# Altium PCB HSBNE-IO.PcbDoc (part 1 of 2)
Units mm, origin at the board's own origin, x right, y up, seen from the top; angles counter-clockwise.
Board outline 100.03 x 80.03 mm, 2 copper layers (Top Layer, Bottom Layer); 108 components, 162 nets, 597 pads, 281 vias.
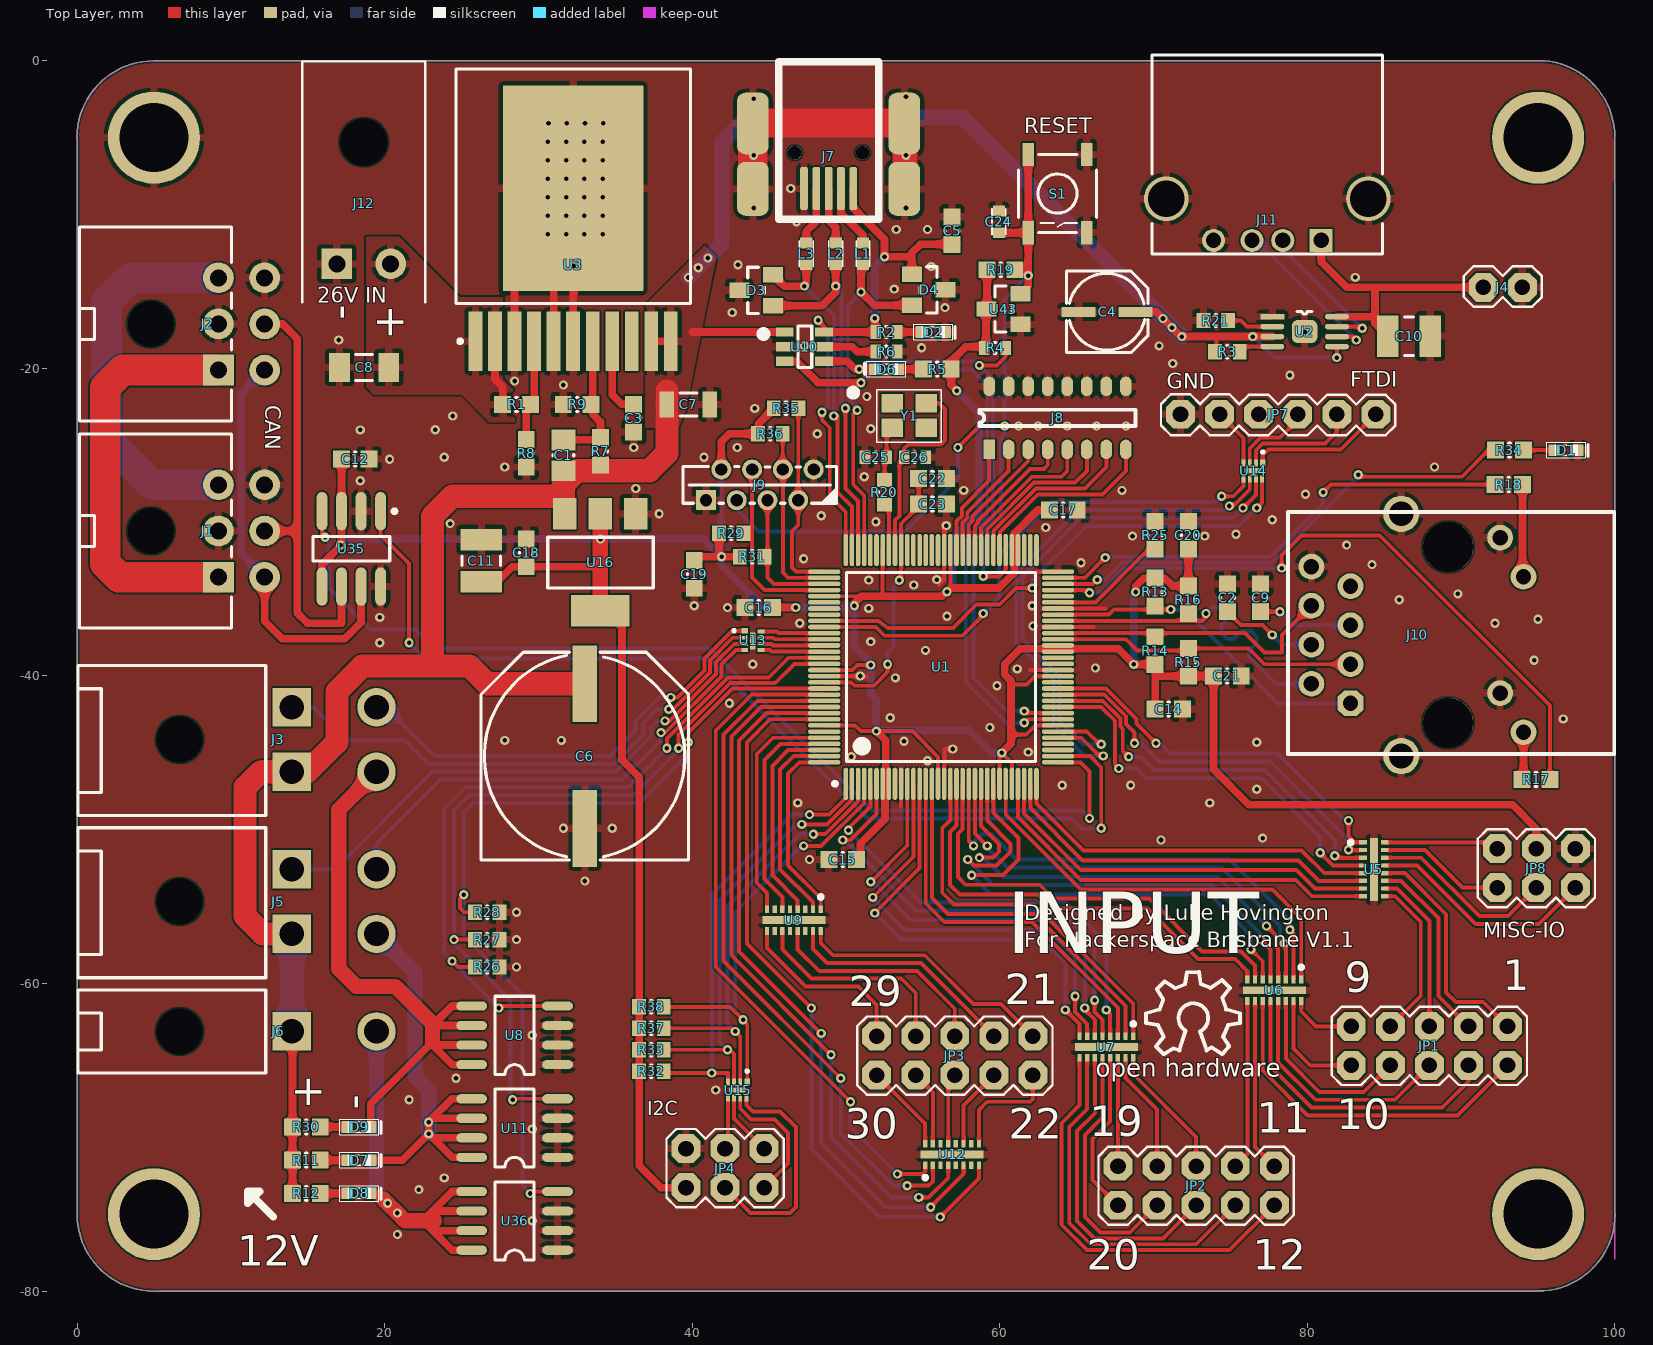
[diagram p0: Top Layer view]
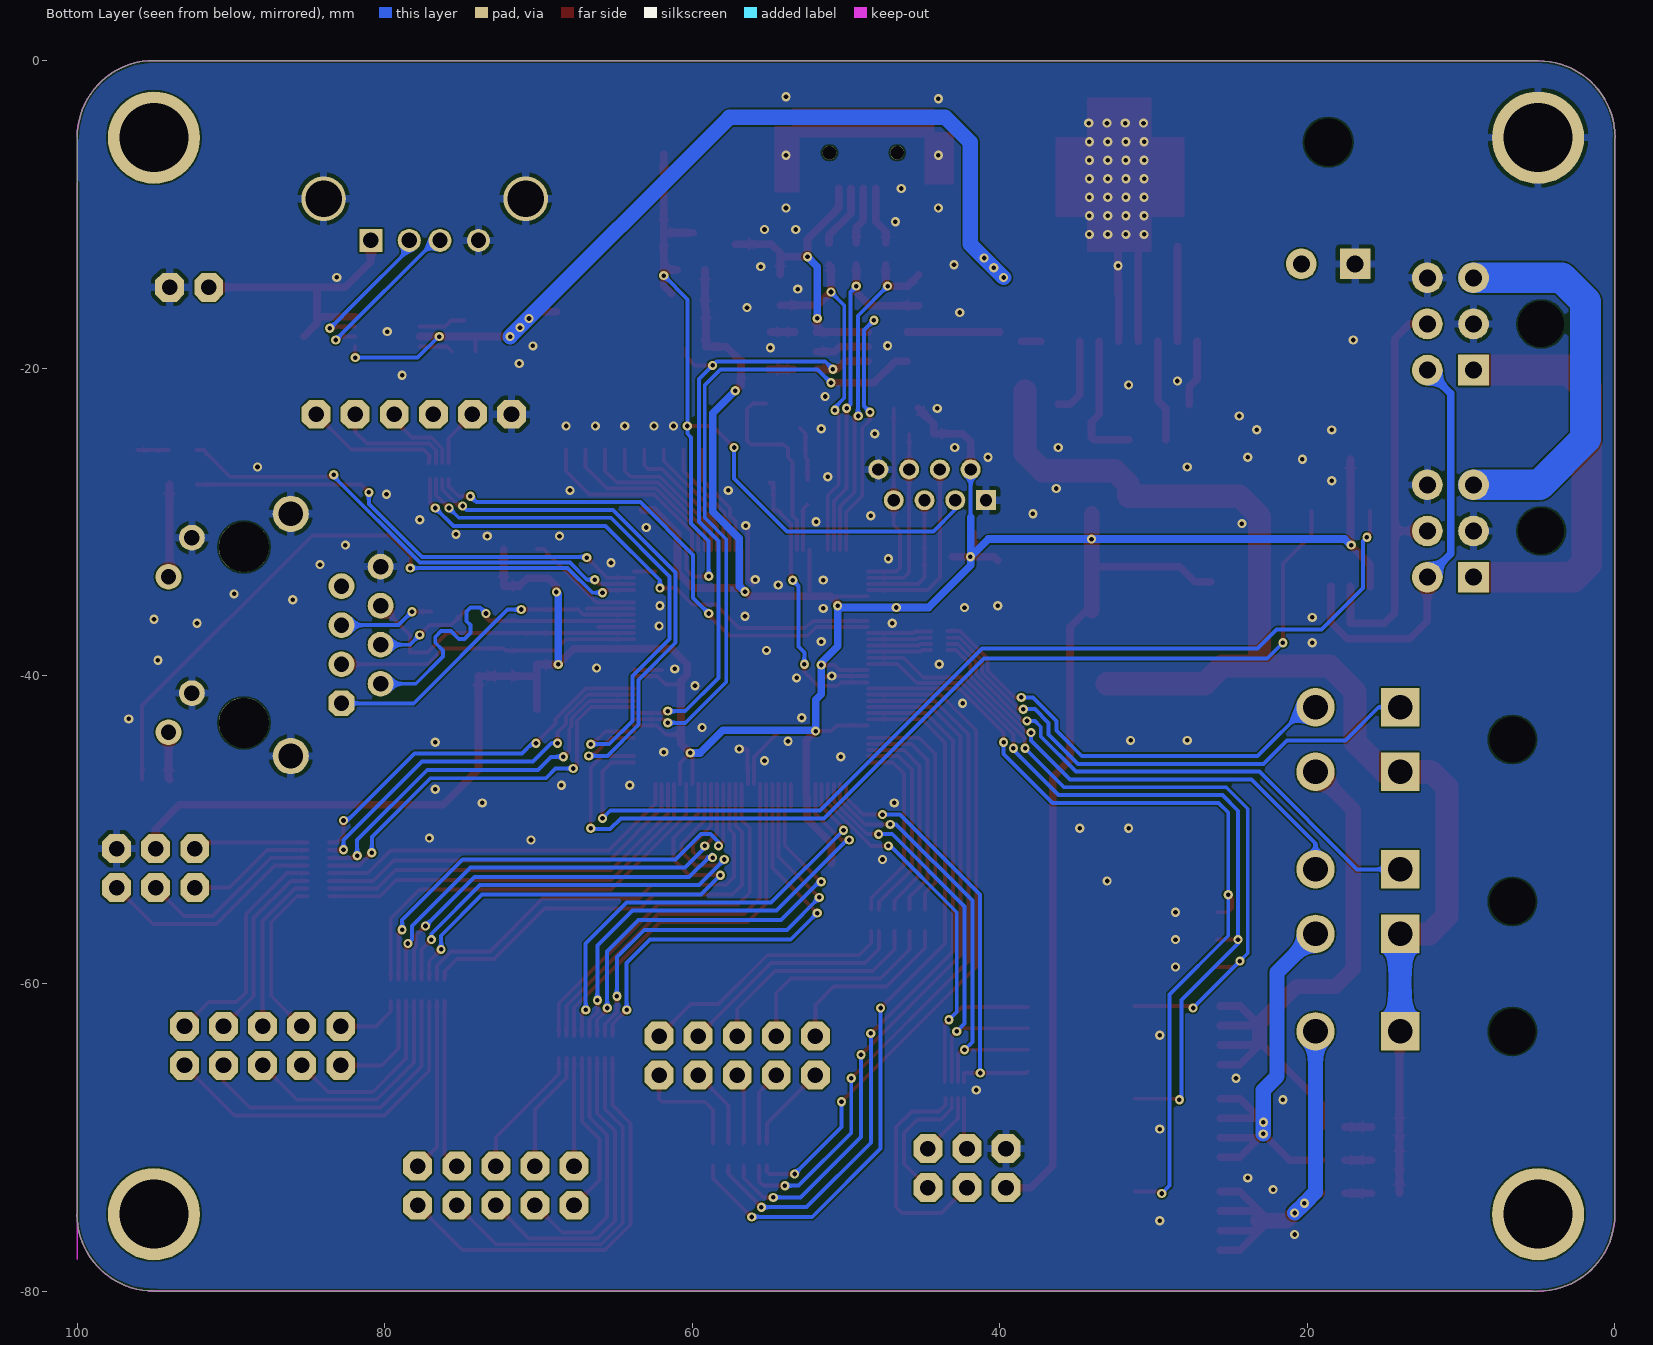
[diagram p1: Bottom Layer view, seen from below]

## Layer stack, top to bottom
Top Solder: solder mask 0.0102, Solder Resist, Dk 3.5
Top Layer: signal copper 0.0356
Dielectric 1: dielectric 0.32, FR-4, Dk 4.8
Bottom Layer: signal copper 0.0356
Bottom Solder: solder mask 0.0102, Solder Resist, Dk 3.5

## Board outline
5.004,-80.013 cw(c5.004,-75.013) 0.004,-75.013 0,-75 0,-5 -0.013,-5.004 cw(c4.987,-5.004) 4.987,-0.004 5,0 95,0 94.996,0.013 cw(c94.996,-4.987) 99.996,-4.987 100,-5 100,-75 100.013,-74.996 cw(c95.013,-74.996) 95.013,-79.996 95,-80

## Design rules (kind name [scope] priority, off if disabled: settings)
Clearance Micro [InComponent('U1') vs InNetClass('All Nets')] p1: gap=0.1 ignorepadtopadclearanceinfootprint=FALSE
Clearance [All] p2: gap=0.1 ignorepadtopadclearanceinfootprint=TRUE
DiffPairsRouting [All] p1: maxlimit=0.254 minlimit=0.254 mostfreqgap=0.254 toplayer_minwidth=0.254 toplayer_maxwidth=0.5 toplayer_prefwidth=0.381 bottomlayer_minwidth=0.254 bottomlayer_maxwidth=0.5 bottomlayer_prefwidth=0.381 maxuncoupledlength=12.7
HoleSize [All] p1: absolutevalues=TRUE maxlimit=4.5 minlimit=0.025 maxpercent=80.000 minpercent=20.000
MinimumSolderMaskSliver [All] p1: minsoldermaskwidth=0.2
PlaneClearance [All] p1: clearance=2
PlaneConnect [All] p1: planeconnectstyle=Relief reliefexpansion=0.508 reliefentries=4 reliefconductorwidth=0.5 reliefairgap=0.254
PolygonConnect via [All vs isvia] p1: connectstyle=Direct reliefconductorwidth=0.254 reliefentries=4 polygonreliefangle="90 Angle" airgapwidth=0.254
PolygonConnect [All] p2: connectstyle=Relief reliefconductorwidth=0.5 reliefentries=4 polygonreliefangle="90 Angle" airgapwidth=0.254
RoutingVias [All] p1: holewidth=0.5 width=1 viastyle="Through Hole" minholewidth=0.3 minwidth=0.6 maxholewidth=0.711 maxwidth=1.27
SilkToSolderMaskClearance [IsPad] p1: minsilkscreentomaskgap=0.127 clearancetoexposedcopper=TRUE
SolderMaskExpansion [All] p1: expansion=0.102
Width [All] p1: maxlimit=2 minlimit=0.254 preferedwidth=0.254
24 further rules are at their usual default settings.

## Classes and differential pairs
component class Power: C1 C3 C4 C6 C7 C8 C10 C11 C14 C15 C16 C17 C18 C19 C22 C23 J4 J11 J12 R1 R3 R7 R8 R9 R21 R26 R27 R28 U2 U3 U8 U11 U16 U36
component class ButtonInputs: JP1 JP2 JP3 JP8 U5 U6 U7 U9 U12
component class Micro: J8 U1
component class Crystal: C2 C9 C20 C21 C24 C25 C26 D1 J10 R13 R14 R15 R16 R17 R18 R19 R20 R25 R34 S1 U43 Y1
component class IO: C5 C12 D2 D3 D4 D6 D7 D8 D9 J1 J2 J3 J5 J6 J7 J9 JP4 JP7 L1 L2 L3 R2 R4 R5 R6 R11 R12 R29 R30 R31 R32 R33 R35 R36 R37 R38 U10 U13 U14 U15 U35
differential pair RX: +RX_P -RX_N
differential pair TX: +TX_P -TX_N
differential pair USB: +USB_P -USB_N

## Components (designator, comment, footprint, x,y, rotation, side; value= is the part's Value field where it differs from the comment)
C1 "CAP 22nF 25V" CAPC0805(2012)100_M 31.623,-25.654 r270 top value=22nF
C2 "100nF 50V 0603" CAPC0603(1608)100_M 74.803,-34.925 r90 top value=100nF
C3 "CAP 4.7nF 50V" CAPC0603(1608)100_M 36.195,-23.241 r90 top value=4.7nF
C4 "100uF" PANASONIC_C 66.929,-16.129 r0 top
C5 "CAP 100nF 50V" CAPC0603(1608)100_M 56.896,-11.049 r270 top value=100nF
C6 "1000uF" PANASONIC_H13 33.02,-45.212 r90 top
C7 "CAP 47uF 25V" CAPC1206(3216)100_L 39.751,-22.352 r0 top value=47uF
C8 "CAP 10uF 50V" CAPC1206(3216)190_M 18.669,-19.939 r180 top value=10uF
C9 "100nF 50V 0603" CAPC0603(1608)100_M 76.962,-34.925 r90 top value=100nF
C10 "22uF 6.3V 1210" CAPC1210(3225)220_N 86.614,-17.907 r0 top value=22uF
C11 "22uF 6.3V 1210" CAPC1210(3225)220_N 26.289,-32.512 r270 top value=22uF
C12 "CAP 100nF 50V" CAPC0603(1608)100_M 18.085,-25.898 r180 top value=100nF
C14 "CAP 100nF 50V" CAPC0603(1608)100_M 70.993,-42.164 r180 top value=100nF
C15 "CAP 100nF 50V" CAPC0603(1608)100_M 49.784,-51.943 r0 top value=100nF
C16 "CAP 100nF 50V" CAPC0603(1608)100_M 44.323,-35.56 r0 top value=100nF
C17 "CAP 100nF 50V" CAPC0603(1608)100_M 64.135,-29.21 r180 top value=100nF
C18 "CAP 1uF 25V" CAPC0603(1608)100_M 29.21,-32.004 r270 top value=1uF
C19 "CAP 1uF 25V" CAPC0603(1608)100_M 40.132,-33.401 r90 top value=1uF
C20 "CAP 100nF 50V" CAPC0603(1608)100_M 72.263,-30.861 r270 top value=100nF
C21 "CAP 100nF 50V" CAPC0603(1608)100_M 74.803,-40.005 r180 top value=100nF
C22 "CAP 100nF 50V" CAPC0603(1608)100_M 55.626,-27.178 r180 top value=100nF
C23 "CAP 10uF 6.3V" CAPC0603(1608)100_M 55.626,-28.829 r180 top value=10uF
C24 "NP" 0603 59.944,-9.779 r270 top value=100pF
C25 "CAP 12pF 16V" CAPC0603(1608)100_L 51.943,-25.781 r0 top value=12pF
C26 "CAP 12pF 16V" CAPC0603(1608)100_L 54.483,-25.781 r180 top value=12pF
D1 "LED" LED-0603 96.825,-25.324 r0 top
D2 "LED" LED-0603 55.677,-17.643 r0 top
D3 "GSOT12C" "SOT-23 - ESD" 45.263,-15.926 r90 top
D4 "GSOT12C" "SOT-23 - ESD" 54.28,-13.894 r270 top
D6 "LED" LED-0603 52.629,-20.056 r180 top
D7 "LED" LED-0603 18.339,-71.491 r0 top
D8 "LED" LED-0603 18.339,-73.65 r0 top
D9 "LED" LED-0603 18.339,-69.332 r0 top
J1 "M43045H-6" M43045H-6 9.195,-33.579 r270 top
J2 "M43045H-6" M43045H-6 9.195,-20.117 r270 top
J3 "Header 2x2 2.54mm" "Molex 39-30-1040" 13.97,-46.237 r270 top
J4 "USB_V" 1X2 91.44,-14.732 r0 top
J5 "Header 2x2 2.54mm" "Molex 39-30-1040" 13.97,-56.778 r270 top
J6 "M5569-2" M5569-2 13.97,-63.119 r270 top
J7 "67503-1020" MOLX-67503-1020_V 50.47,-8.306 r270 top
J8 "DIP Switch 8" DIP8 59.309,-25.273 r90 top
J9 "FH21-8S-1DSA" FH21-8S-1DSA 40.894,-28.575 r0 top
J10 "MagJack" MAGJACK 80.264,-37.338 r90 top
J11 "1734366-1" TE-1734366-1_V 80.899,-11.684 r180 top
J12 "Molex 172310-1102" "MOLEX 172310-1102" 16.891,-13.208 r90 top
JP1 "Header 5x2 2.54mm" 2X5 87.935,-64.059 r180 top
JP2 "Header 5x2 2.54mm" 2X5 72.771,-73.152 r180 top
JP3 "Header 5x2 2.54mm" 2X5 57.074,-64.694 r180 top
JP4 "Header 3x2 2.54mm" 2X3 42.164,-72.009 r0 top
JP7 "FTDI Header" 1X6 80.645,-24.257 r180 top
JP8 "Header 3x2 2.54mm" 2X3 94.92,-52.502 r0 top
L1 "MPZ1608S102A" 0603 51.105,-13.259 r90 top
L2 "MPZ1608S102A" 0603 49.327,-13.259 r90 top
L3 "MPZ1608S102A" 0603 47.422,-13.259 r90 top
R1 "10K 5%" RESC0603(1608)_M 28.575,-22.352 r180 top value="10000.00 Ohm"
R2 "180R 5%" RESC0603(1608)_L 52.629,-17.643 r180 top value="180.00 Ohm"
R3 "22K1 0603" RESC0603(1608)_N 74.803,-18.923 r0 top value="22100.00 Ohm"
R4 "16K 5%" RESC0603(1608)_L 59.69,-18.669 r180 top value="16000.00 Ohm"
R5 "68R 5%" RESC0603(1608)_M 55.931,-20.056 r0 top value="68.00 Ohm"
R6 "16K 5%" RESC0603(1608)_L 52.629,-18.913 r180 top value="16000.00 Ohm"
R7 "8K2 5%" RESC0603(1608)_M 34.036,-25.4 r90 top value="8200.00 Ohm"
R8 "1K5 5%" RESC0603(1608)_M 29.21,-25.527 r90 top value="1500.00 Ohm"
R9 "1K5 5%" RESC0603(1608)_M 32.512,-22.352 r0 top value="1500.00 Ohm"
R11 "220R 5%" RESC0603(1608)_M 14.91,-71.491 r180 top value="220.00 Ohm"
R12 "220R 5%" RESC0603(1608)_M 14.91,-73.65 r180 top value="220.00 Ohm"
R13 "49.9R 5%" RESC0603(1608)_M 70.104,-34.544 r90 top value="49.90 Ohm"
R14 "49.9R 5%" RESC0603(1608)_M 70.104,-38.354 r270 top value="49.90 Ohm"
R15 "49.9R 5%" RESC0603(1608)_M 72.263,-39.116 r270 top value="49.90 Ohm"
R16 "49.9R 5%" RESC0603(1608)_M 72.263,-35.052 r90 top value="49.90 Ohm"
R17 "220R 5%" RESC0603(1608)_M 94.869,-46.736 r0 top value="220.00 Ohm"
R18 "220R 5%" RESC0603(1608)_M 93.091,-27.559 r180 top value="220.00 Ohm"
R19 "2K43 5%" RESC0603(1608)_M 60.071,-13.589 r180 top value="2430.00 Ohm"
R20 "2K 5%" RESC0603(1608)_N 52.502,-28.057 r90 top value="2000.00 Ohm"
R21 "22K1 0603" RESC0603(1608)_N 74.041,-16.891 r0 top value="22100.00 Ohm"
R25 "4K87 5%" RESC0603(1608)_M 70.104,-30.861 r270 top value="4K87.00 Ohm"
R26 "10K 5%" RESC0603(1608)_N 26.67,-58.928 r180 top value="10000.00 Ohm"
R27 "10K 5%" RESC0603(1608)_N 26.67,-57.15 r180 top value="10000.00 Ohm"
R28 "10K 5%" RESC0603(1608)_N 26.67,-55.372 r180 top value="10000.00 Ohm"
R29 "10K 5%" RESC0603(1608)_N 42.545,-30.734 r180 top value="10000.00 Ohm"
R30 "220R 5%" RESC0603(1608)_M 14.91,-69.332 r180 top value="220.00 Ohm"
R31 "10K 5%" RESC0603(1608)_N 43.894,-32.258 r180 top value="10000.00 Ohm"
R32 "10K 5%" RESC0603(1608)_N 37.348,-65.71 r180 top value="10000.00 Ohm"
R33 "10K 5%" RESC0603(1608)_N 37.348,-64.313 r180 top value="10000.00 Ohm"
R34 "220R 5%" RESC0603(1608)_M 93.142,-25.324 r180 top value="220.00 Ohm"
R35 "10K 5%" RESC0603(1608)_N 46.101,-22.606 r0 top value="10000.00 Ohm"
R36 "10K 5%" RESC0603(1608)_N 45.085,-24.257 r0 top value="10000.00 Ohm"
R37 "10K 5%" RESC0603(1608)_N 37.348,-62.916 r180 top value="10000.00 Ohm"
R38 "10K 5%" RESC0603(1608)_N 37.348,-61.519 r180 top value="10000.00 Ohm"
S1 "EVQ-Q2B03W" TACTILE_SWITCH_SMD 63.754,-8.636 r270 top
U1 "TM4C1294NCPDTI3R" TI-PDT128_M 56.185,-39.421 r90 top
U2 "IC USB PWR SW/CTRLR" 8-MSOP-PowerPad 77.724,-16.637 r0 top
U3 "LMZ23610TZ/NOPB" NDY0011A_M 32.258,-10.541 r90 top
U5 "NUF8402MNT4G" ONSC-DFN-16-506AC_V 84.328,-52.578 r0 top
U6 "NUF8402MNT4G" ONSC-DFN-16-506AC_V 77.851,-60.452 r270 top
U7 "NUF8402MNT4G" ONSC-DFN-16-506AC_V 66.929,-64.135 r270 top
U8 "ZXMS6004N8" SO-8 31.242,-65.278 r180 top
U9 "NUF8402MNT4G" ONSC-DFN-16-506AC_V 46.609,-55.88 r270 top
U10 "BD2242G" SOT23-6 46.025,-17.643 r270 top
U11 "ZXMS6004N8" SO-8 31.242,-71.31 r180 top
U12 "NUF8402MNT4G" ONSC-DFN-16-506AC_V 56.896,-71.12 r90 top
U13 "NUF4001MUT2G" ONSC-UDFN-8-517AD_V 43.942,-37.719 r0 top
U14 "NUF4001MUT2G" ONSC-UDFN-8-517AD_V 76.454,-26.67 r270 top
U15 "NUF4001MUT2G" ONSC-UDFN-8-517AD_V 42.926,-66.929 r270 top
U16 "AZ1117EH-3.3TRG1" SOT-223 36.322,-29.464 r180 top
U35 "SN65HVD234D" D8_M 17.831,-31.74 r270 top
U36 "ZXMS6004N8" SO-8 31.242,-77.343 r180 top
U43 "APX803" "SOT-23 - ESD" 61.341,-17.145 r90 top
Y1 "25MHz" "CRYSTAL 3.2X2.5" 51.994,-24.816 r0 top

## Footprints (in the part's own frame and the unit in brackets; to place one, negate y for a bottom-side part, rotate by r counter-clockwise, add the part's x,y. Pads: shape width x height; smd on the part's side, far side on the other; paste and mask are expansions set on the pad)
1X2 [mil]
  oct 74x74 hole 40: 1(0,0) 2(100,0)
  silkscreen extent -50,-50 150,54
1X6 [mil]
  oct 74x74 hole 40: 1(-150,-50) 2(-50,-50) 3(50,-50) 4(150,-50) 5(250,-50) 6(350,-50)
  silkscreen extent -200,-101 400,4, body extent -200,-100 400,0, height 298
2X3 [mil]
  oct 74x74 hole 40: 1(-101.18,-50) 2(-101.18,50) 3(-1.18,-50) 4(-1.18,50) 5(98.82,-50) 6(98.82,50)
  silkscreen extent -151,-100 149,100, body extent -150,-100 150,100, height 330
2X5 [mil]
  oct 74x74 hole 40: 1(-200,-50) 2(-200,50) 3(-100,-50) 4(-100,50) 5(0,-50) 6(0,50) 7(100,-50) 8(100,50) 9(200,-50) 10(200,50)
  silkscreen extent -250,-100 250,100, body extent -242,-95 242,95, height 397
8-MSOP-PowerPad [mm]
  rect 1.55x0.35 smd: 1(0,0)
  oval 1.55x0.35 smd: 2(0,-0.65) 3(0,-1.3) 4(0,-1.95) 5(4.2,-1.95) 6(4.2,-1.3) 7(4.2,-0.65) 8(4.2,0)
  rrect50% 1.65x1.5 smd paste-0.1: 9(2.1,-0.975)
  silkscreen extent 1.61,0.16 2.59,0.33, body extent -0.4,-2.47 4.6,0.53, height 0.92
0603 [mm]
  rect 0.7x0.8 smd paste+0 mask+0.1: 1(0,0) 2(1.4,0)
  silkscreen extent -0.15,-0.45 1.55,0.45, body extent -0.15,-0.45 1.55,0.45, height 0.53
CAPC0603(1608)100_L [mm] "Chip Capacitor, Body 1.6x0.8mm, Height 1.0mm, IPC High Density"
  rect 0.7x0.9 smd: 1(-0.7,0) 2(0.7,0)
  silkscreen extent -0.05,-0.35 0.05,0.35, body extent -0.87,-0.47 0.88,0.48, height 1
CAPC0603(1608)100_M [mm] "Chip Capacitor, Body 1.6x0.8mm, Height 1.0mm, IPC Low Density"
  rect 1.1x1.1 smd: 1(-0.9,0) 2(0.9,0)
  silkscreen extent -0.05,-0.45 0.05,0.45, body extent -0.87,-0.47 0.88,0.48, height 1
CAPC0805(2012)100_M [mm] "Chip Capacitor, Body 2.0x1.2mm, Height 1.0mm, IPC Low Density"
  rect 1.35x1.55 smd: 1(-1,0) 2(1,0)
  silkscreen extent -0.05,-0.67 0.05,0.67, body extent -1.1,-0.72 1.1,0.72, height 1
CAPC1206(3216)100_L [mm] "Chip Capacitor, Body 3.2x1.6mm, Height 1mm, IPC High Density"
  rect 0.95x1.7 smd: 1(-1.4,0) 2(1.4,0)
  silkscreen extent -0.55,-0.75 0.55,0.75, body extent -1.7,-0.9 1.7,0.9, height 1
CAPC1206(3216)190_M [mm] "Chip Capacitor, Body 3.2x1.6mm, Height 1.9mm, IPC Low Density"
  rect 1.35x1.9 smd: 1(-1.6,0) 2(1.6,0)
  silkscreen extent -0.55,-0.85 0.55,0.85, body extent -1.7,-0.9 1.7,0.9, height 1.9
CAPC1210(3225)220_N [mm] "Chip Capacitor, Body 3.2x2.5mm, Height 2.2mm, IPC Medium Density"
  rect 1.4x2.7 smd: 1(-1.375,0) 2(1.375,0)
  silkscreen extent -0.3,-1.25 0.3,1.25, body extent -1.7,-1.35 1.7,1.35, height 2.2
"CRYSTAL 3.2X2.5" [mm]
  rect 1.4x1.2 smd: 1(1.016,0.94) 2(3.216,0.94) 3(3.216,2.54) 4(1.016,2.54)
  silkscreen extent 0,0 4.19,3.43, body extent 0.77,0.78 3.29,2.78, height 0.56
D8_M [mm] "SOIC, 8-Leads, Body 4.9x3.9mm, Pitch 1.27mm, IPC Low Density"
  oval 2.5x0.7 smd: 1(-2.45,1.905) 2(-2.45,0.635) 3(-2.45,-0.635) 4(-2.45,-1.905) 5(2.45,-1.905) 6(2.45,-0.635) 7(2.45,0.635) 8(2.45,1.905)
  silkscreen extent -2.57,-2.5 0.8,2.93, body extent -2,-2.5 2,2.5, height 1.75
DIP8 [mm]
  rect 1.27x0.76 smd: 1(0,0)
  oval 1.27x0.76 smd: 2(0,-1.27) 3(0,-2.54) 4(0,-3.81) 5(0,-5.08) 6(0,-6.35) 7(0,-7.62) 8(0,-8.89) 9(4.1,-8.89) 10(4.1,-7.62) 11(4.1,-6.35) 12(4.1,-5.08) 13(4.1,-3.81) 14(4.1,-2.54) 15(4.1,-1.27) 16(4.1,0)
  silkscreen extent 1.52,-9.53 2.58,0.64, body extent -0.77,-10.3 4.83,1.4, height 2.42
FH21-8S-1DSA [mm]
  rect 1.3x1.3 hole 0.8: 1(0,0)
  round 1.3 hole 0.8: 2(1,2) 3(2,0) 4(3,2) 5(4,0) 6(5,2) 7(6,0) 8(7,2)
  silkscreen extent -1.5,-0.2 8.5,2.2
LED-0603 [mil]
  rect 30x30 smd: 1(-30,0) 2(30,0)
  Top Overlay keep-out lines w2: -50,-20 50,-20 50,20 -50,20 -50,-20
  silkscreen extent -50,-20 56,20, body extent -33,-14 32,14, height 27
M5569-2 [mm]
  rect 2.5x2.5 hole 1.6: 1(0,0)
  round 2.5 hole 1.6: 2(0,5.5)
  round 0 hole 3 unplated: A(0,-7.3)
  silkscreen extent -2.7,-13.9 2.7,-1.7, body extent -2.72,-13.91 3.08,6.03, height 11.4
M43045H-6 [mm]
  rect 2x2 hole 1.1: 1(0,0)
  round 2 hole 1.1: 2(-3,0) 3(-6,0) 4(0,3) 5(-3,3) 6(-6,3)
  round 0 hole 3 unplated: 7(-3,-4.4)
  silkscreen extent -9.3,-9.05 3.3,0.85, body extent -9.57,-8.95 3.58,3.25, height 8.83
MAGJACK [mm]
  oct 1.676x1.676 hole 1: 1(-4.445,-2.54)
  round 1.676 hole 1: 2(-3.175,0) 3(-1.905,-2.54) 4(-0.635,0) 5(0.635,-2.54) 6(1.905,0) 7(3.175,-2.54) 8(4.445,0) 9(-6.325,-13.79) 10(-3.785,-12.27) 11(3.785,-13.79) 12(6.325,-12.27)
  round 2.355 hole 1.6: GND1(-7.875,-5.84) GND2(7.875,-5.84)
  round 3.25 hole 3.25 unplated: ""(-5.715,-8.89) ""(5.715,-8.89)
  silkscreen extent -7.75,-19.69 8,1.51, body extent -7.92,-19.69 8.18,1.41, height 13.5
"Molex 39-30-1040" [mm]
  rect 2.5x2.5 hole 1.6: 1(0,0) 2(-4.2,0)
  round 2.5 hole 1.6: 3(0,5.5) 4(-4.2,5.5)
  round 0 hole 3 unplated: A(-2.1,-7.3)
  silkscreen extent -6.9,-13.9 2.85,-1.7, body extent -6.96,-13.9 3.04,6.03, height 11.4
"MOLEX 172310-1102" [mm] "Molex 172310-1102"
  round 1.5 hole 3.1 unplated: 0(7.91,-1.75)
  rect 2x2 hole 1.1: 1(0,0)
  round 2 hole 1.1: 2(0,-3.5)
  silkscreen extent -2.5,-5.75 13.16,2.25, body extent -0.3,-6.28 15.33,2.72, height 9.06
MOLX-67503-1020_V [mm] "Mini USB Connector, SMT, Righer Angle"
  rrect50% 2.8x0.5 smd: 1(0,0) 2(0,-0.8) 3(0,-1.6) 4(0,-2.4) 5(0,-3.2)
  rrect50% 3.5x2.05 smd: 6(0.025,3.325) 8(0.025,-6.525)
  rrect50% 4x2.05 smd: 7(-4.225,3.325) 9(-4.225,-6.525)
  round 0.9 hole 0.9 unplated: X(-2.325,-3.8) Y(-2.325,0.6)
  silkscreen extent -8.25,-4.85 2,1.65, body extent -8.22,-6.56 0.78,3.34, height 3.95
NDY0011A_M [mm] "DPAK, 11-Leads, Body 15.25x15.25mm, Pitch 1.27mm, IPC Low Density"
  rrect11% 3.9x0.9 smd: 1(-7.7,6.35) 2(-7.7,5.08) 3(-7.7,3.81) 4(-7.7,2.54) 5(-7.7,1.27) 6(-7.7,0) 7(-7.7,-1.27) 8(-7.7,-2.54) 9(-7.7,-3.81) 10(-7.7,-5.08) 11(-7.7,-6.35)
  rrect1% 13.37x9.126 smd: 12(2.25,0)
  silkscreen extent -7.82,-7.63 10,7.63, body extent -7.78,-7.5 10,7.5, height 6.11
ONSC-DFN-16-506AC_V [mm] "SON, 16-Leads, Body 4x1.6mm, Pitch 0.5mm, Thermal Pad 4.1x0.5mm"
  rect 0.51x0.28 smd: 1(-0.7,1.75) 2(-0.7,1.25) 3(-0.7,0.75) 4(-0.7,0.25) 5(-0.7,-0.25) 6(-0.7,-0.75) 7(-0.7,-1.25) 8(-0.7,-1.75) 9(0.7,-1.75) 10(0.7,-1.25) 11(0.7,-0.75) 12(0.7,-0.25) 13(0.7,0.25) 14(0.7,0.75) 15(0.7,1.25) 16(0.7,1.75)
  rect 0.5x4.1 smd: 17(0,0)
  silkscreen extent -1.63,1.63 -1.38,1.87, body extent -0.8,-2 0.8,2, height 1
ONSC-UDFN-8-517AD_V [mm] "SON, 8-Leads, Body 1.8x1.2mm, Pitch 0.4mm, Thermal Pad 0.35x1.1mm"
  rect 0.45x0.35 smd: 1(-0.525,0.65)
  rect 0.45x0.25 smd: 2(-0.525,0.2) 3(-0.525,-0.2) 4(-0.525,-0.6) 5(0.525,-0.6) 6(0.525,-0.2) 7(0.525,0.2) 8(0.525,0.6)
  rect 0.35x1.1 smd: 9(0,0)
  silkscreen extent -1.27,0.6 -1.17,0.7, body extent -0.6,-0.9 0.6,0.9, height 0.55
PANASONIC_C [mm]
  rect 2.2x0.65 smd: +(1.9,-0.2) -(-1.8,-0.2)
  silkscreen extent -2.6,-2.85 2.7,2.45, body extent -2.63,-2.88 2.75,2.5, height 5.4
PANASONIC_H13 [mm]
  rect 5x1.6 smd: +(4.7,0) -(-4.7,0)
  silkscreen extent -6.75,-6.75 6.75,6.75, body extent -6.75,-6.75 6.75,6.75, height 13.5
RESC0603(1608)_L [mm] "Chip Resistor, Body 1.6x0.8mm, IPC High Density"
  rect 0.7x0.9 smd: 1(-0.7,0) 2(0.7,0)
  silkscreen extent -0.05,-0.35 0.05,0.35, body extent -0.85,-0.47 0.85,0.47, height 0.6
RESC0603(1608)_M [mm] "Chip Resistor, Body 1.6x0.8mm, IPC Low Density"
  rect 1.1x1.1 smd: 1(-0.9,0) 2(0.9,0)
  silkscreen extent -0.05,-0.45 0.05,0.45, body extent -0.85,-0.47 0.85,0.47, height 0.6
RESC0603(1608)_N [mm] "Chip Resistor, Body 1.6x0.8mm, IPC Medium Density"
  rect 0.9x1 smd: 1(-0.8,0) 2(0.8,0)
  silkscreen extent -0.05,-0.4 0.05,0.4, body extent -0.85,-0.47 0.85,0.47, height 0.6
SO-8 [mm]
  oval 2x0.6 smd: 1(0,0) 2(0,-1.27) 3(0,-2.54) 4(0,-3.81) 5(5.588,-3.81) 6(5.588,-2.54) 7(5.588,-1.27) 8(5.588,0)
  silkscreen extent 1.52,-4.44 4.06,0.64, body extent -0.1,-4.32 5.68,0.58, height 1.45
SOT23-6 [mm]
  rect 0.6x1.15 smd: 1(0,0) 2(0.95,0) 3(1.9,0) 4(1.9,2.55) 5(0.95,2.54) 6(0,2.55)
  silkscreen extent -0.4,0.85 2.3,1.75, body extent -0.51,0.63 2.41,2.03, height 0.5
"SOT-23 - ESD" [mm]
  rect 1x1.3 smd: 1(0,0) 2(2,0) 3(1,2.2)
  silkscreen extent -0.5,0.55 2.5,1.65, body extent -0.64,0.51 2.54,1.78, height 1
SOT-223 [mil]
  rect 60x80 smd: 1(0,0) 2(91,0) 3(182,0)
  rect 150x80 smd: 4(91,248)
  silkscreen extent -45,60 225,190, body extent -38,-7 218,267, height 63